# KiCad board ddr5-testbed.kicad_pcb (continued)
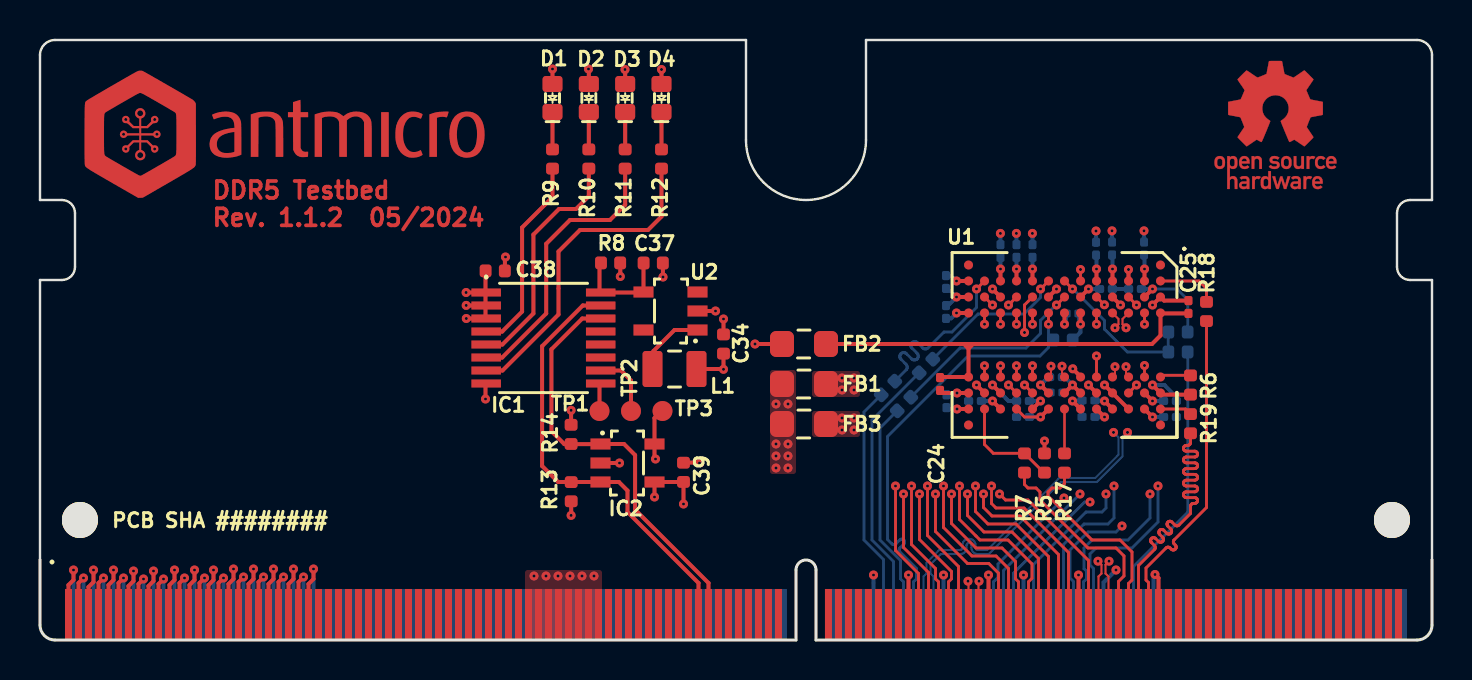
[diagram p0: board, top side]
## Routing (per net, layer and track width the routed paths; a pad name or vN(x,y) marks a point on that pad's centre or on a via; arc(x,y) is an arc through that point) (continued)
  Bottom w0.145: 56.41,15.4 56.41,14.4 54.37,14.4 53.22,15.54 53.22,15.98 51.65,17.55 v1(51.62,17.55)
/DDR5/R_RESET_N: length 5.4
  Top w0.145: 47.22,11.55 47.22,9.78 47.66,9.33 49.22,9.33 50.19,8.36 50.22,8.36
/DDR5/R_TEN: length 2.2
  Top w0.127: U1.G10 51.22,9.33
/DDR5/ZQ: length 1.5
  Top w0.145: 57.53,13.23 56.11,13.23 U1.A8
ALERT_N: length 13.5
  Bottom w0.145: 42.68,1.3 42.68,3.92 41.6,5 41.6,11 43.96,13.36
CA0: length 22
  Top w0.145: J1.181 48.43,3.58 47.8,4.2 46.6,4.2 45.18,5.62 v1(45.18,7.7) ; 49.62,16.35 v1(49.62,15.79)
  In2.Cu w0.102: v1(49.62,15.79) 49.62,14.7 49.18,14.25 46.85,14.25 46.83,14.25 46.81,14.24 46.79,14.23 46.77,14.21 46.76,14.19 46.75,14.17 46.75,14.15 46.75,13.99 46.75,13.97 46.74,13.95 46.73,13.93 46.71,13.91 46.69,13.9 46.67,13.89 46.65,13.89 46.62,13.89 46.6,13.9 46.58,13.91 46.57,13.93 46.56,13.95 46.55,13.97 46.55,13.99 46.55,14.15 46.54,14.17 46.54,14.19 46.52,14.21 46.51,14.23 46.49,14.24 46.47,14.25 46.44,14.25 46.42,14.25 46.4,14.24 46.38,14.23 46.36,14.21 46.35,14.19 46.34,14.17 46.34,14.15 46.34,13.99 46.34,13.97 46.33,13.95 46.32,13.93 46.3,13.91 46.28,13.9 46.26,13.89 46.24,13.89 46.22,13.89 46.2,13.9 46.18,13.91 46.16,13.93 46.15,13.95 46.14,13.97 46.14,13.99 46.14,14.15 46.14,14.17 46.13,14.19 46.12,14.21 46.1,14.23 46.08,14.24 46.06,14.25 46.04,14.25 45.8,14.25 45.18,13.62 v1(45.18,7.7)
CA1: length 22
  Top w0.145: U1.J8 v1(49.62,13.71) ; J1.197 52.43,3.97 49.4,7 48.28,7 v1(47.97,7.3)
  In2.Cu w0.102: v1(47.97,7.3) 49.05,7.3 49.62,7.88 49.62,8.36 49.63,8.38 49.64,8.4 49.65,8.42 49.66,8.44 49.68,8.45 49.7,8.45 49.73,8.46 50.28,8.46 50.3,8.46 50.32,8.47 50.34,8.48 50.36,8.5 50.37,8.51 50.37,8.54 50.38,8.56 50.37,8.58 50.37,8.6 50.36,8.62 50.34,8.64 50.32,8.65 50.3,8.66 50.28,8.66 49.73,8.66 49.7,8.66 49.68,8.67 49.66,8.68 49.65,8.7 49.64,8.72 49.63,8.74 49.62,8.76 49.63,8.78 49.64,8.81 49.65,8.83 49.66,8.84 49.68,8.85 49.7,8.86 49.73,8.86 50.28,8.86 50.3,8.87 50.32,8.87 50.34,8.89 50.36,8.9 50.37,8.92 50.37,8.94 50.38,8.97 50.37,8.99 50.37,9.01 50.36,9.03 50.34,9.04 50.32,9.06 50.3,9.06 50.28,9.07 49.73,9.07 49.7,9.07 49.68,9.08 49.66,9.09 49.65,9.11 49.64,9.12 49.63,9.15 49.62,9.17 49.63,9.19 49.64,9.21 49.65,9.23 49.66,9.25 49.68,9.26 49.7,9.27 49.73,9.27 50.28,9.27 50.3,9.27 50.32,9.28 50.34,9.29 50.36,9.31 50.37,9.33 50.37,9.35 50.38,9.37 50.37,9.39 50.37,9.42 50.36,9.44 50.34,9.45 50.32,9.46 50.3,9.47 50.28,9.47 49.73,9.47 49.7,9.48 49.68,9.48 49.66,9.5 49.65,9.51 49.64,9.53 49.63,9.55 49.62,9.58 49.62,10.22 49.63,10.26 49.64,10.29 49.66,10.32 49.68,10.34 49.71,10.36 49.74,10.37 49.78,10.38 50.22,10.38 50.26,10.38 50.29,10.39 50.32,10.41 50.34,10.43 50.36,10.46 50.37,10.49 50.38,10.53 50.37,10.56 50.36,10.59 50.34,10.62 50.32,10.64 50.29,10.66 50.26,10.67 50.22,10.67 49.78,10.67 49.74,10.68 49.71,10.69 49.68,10.71 49.66,10.73 49.64,10.76 49.63,10.79 49.62,10.83 v1(49.62,13.71)
CA2: length 22
  Top w0.145: v1(44.38,7.7) 44.38,5.22 45.93,3.67 J1.171 ; 48.82,16.35 v1(48.82,15.79)
  In2.Cu w0.102: v1(48.82,15.79) 48.82,14.91 48.57,14.66 44.78,14.66 44.38,14.25 44.38,14.03 44.37,14.01 44.37,13.99 44.36,13.98 44.35,13.97 44.33,13.96 44.32,13.95 44.28,13.95 44.27,13.94 44.25,13.93 44.24,13.92 44.23,13.91 44.23,13.89 44.23,13.88 44.23,13.82 44.23,13.81 44.23,13.79 44.24,13.78 44.25,13.76 44.27,13.75 44.28,13.75 44.3,13.75 44.38,13.75 44.38,13.75 44.45,13.75 44.47,13.74 44.48,13.74 44.5,13.73 44.51,13.72 44.52,13.7 44.52,13.69 44.52,13.67 44.52,13.62 44.52,13.6 44.52,13.59 44.51,13.57 44.5,13.56 44.48,13.55 44.47,13.55 44.45,13.54 44.3,13.54 44.28,13.54 44.27,13.54 44.25,13.53 44.24,13.52 44.23,13.5 44.23,13.49 44.23,13.47 44.23,13.41 44.23,13.4 44.23,13.38 44.24,13.37 44.25,13.36 44.27,13.35 44.28,13.34 44.3,13.34 44.45,13.34 44.47,13.34 44.48,13.33 44.5,13.32 44.51,13.31 44.52,13.3 44.52,13.28 44.52,13.27 44.52,13.21 44.52,13.19 44.52,13.18 44.51,13.17 44.5,13.15 44.48,13.14 44.47,13.14 44.45,13.14 44.3,13.14 44.28,13.14 44.27,13.13 44.25,13.12 44.24,13.11 44.23,13.1 44.23,13.08 44.23,13.06 44.23,13.01 44.23,12.99 44.23,12.98 44.24,12.96 44.25,12.95 44.27,12.94 44.28,12.94 44.3,12.93 44.45,12.93 44.47,12.93 44.48,12.93 44.5,12.92 44.51,12.91 44.52,12.89 44.52,12.88 44.52,12.86 44.52,12.81 44.52,12.79 44.52,12.77 44.51,12.76 44.5,12.75 44.48,12.74 44.47,12.73 44.45,12.73 44.3,12.73 44.28,12.73 44.27,12.72 44.25,12.71 44.24,12.7 44.23,12.69 44.23,12.67 44.23,12.66 44.23,12.6 44.23,12.59 44.23,12.57 44.24,12.56 44.25,12.54 44.27,12.53 44.28,12.53 44.3,12.53 44.45,12.53 44.47,12.53 44.48,12.52 44.5,12.51 44.51,12.5 44.52,12.49 44.52,12.47 44.52,12.45 44.52,12.4 44.52,12.38 44.52,12.37 44.51,12.35 44.5,12.34 44.48,12.33 44.47,12.33 44.45,12.32 44.3,12.32 44.28,12.32 44.27,12.32 44.25,12.31 44.24,12.3 44.23,12.28 44.23,12.27 44.23,12.25 44.23,12.2 44.23,12.18 44.23,12.16 44.24,12.15 44.25,12.14 44.27,12.13 44.28,12.12 44.3,12.12 44.45,12.12 44.47,12.12 44.48,12.11 44.5,12.11 44.51,12.09 44.52,12.08 44.52,12.06 44.52,12.05 44.52,11.99 44.52,11.98 44.52,11.96 44.51,11.95 44.5,11.93 44.48,11.93 44.47,11.92 44.43,11.92 44.42,11.91 44.4,11.9 44.39,11.89 44.38,11.88 44.38,11.86 44.38,11.84 v1(44.38,7.7)
CA3: length 22
  Top w0.145: 48.82,13.15 v1(48.82,13.71) ; J1.191 50.93,4.28 49,6.2 47.6,6.2 47.18,6.62 v1(47.18,7.3)
  In2.Cu w0.102: v1(48.82,13.71) 48.82,13.48 48.82,13.46 48.81,13.44 48.8,13.42 48.79,13.4 48.77,13.39 48.75,13.38 48.72,13.38 48.38,13.38 48.35,13.38 48.33,13.37 48.31,13.36 48.3,13.34 48.29,13.32 48.28,13.3 48.28,13.28 48.28,13.26 48.29,13.23 48.3,13.21 48.31,13.2 48.33,13.19 48.35,13.18 48.38,13.18 48.72,13.18 48.75,13.17 48.77,13.17 48.79,13.15 48.8,13.14 48.81,13.12 48.82,13.1 48.82,13.08 48.82,9.67 48.81,9.66 48.79,9.65 48.76,9.65 48.74,9.65 48.72,9.65 48.7,9.66 48.68,9.67 48.56,9.8 48.54,9.81 48.52,9.82 48.5,9.83 48.47,9.83 48.45,9.82 48.43,9.81 48.41,9.8 48.4,9.78 48.39,9.76 48.38,9.74 48.38,9.72 48.39,9.69 48.4,9.67 48.41,9.66 48.81,9.26 48.82,9.25 48.83,9.23 48.83,9.2 48.83,9.18 48.83,9.16 48.82,9.14 48.81,9.12 48.79,9.11 48.77,9.1 48.74,9.09 48.72,9.09 48.7,9.1 48.68,9.11 48.66,9.12 48.27,9.51 48.25,9.53 48.23,9.54 48.21,9.54 48.19,9.54 48.16,9.54 48.14,9.53 48.13,9.51 48.11,9.49 48.1,9.47 48.1,9.45 48.1,9.43 48.1,9.41 48.11,9.39 48.13,9.37 48.52,8.98 48.53,8.96 48.54,8.94 48.55,8.92 48.55,8.89 48.54,8.87 48.53,8.85 48.52,8.83 48.5,8.82 48.48,8.81 48.46,8.8 48.43,8.8 48.41,8.81 48.39,8.82 48.37,8.83 47.98,9.22 47.97,9.24 47.94,9.25 47.92,9.25 47.9,9.25 47.88,9.25 47.86,9.24 47.84,9.22 47.82,9.21 47.82,9.19 47.81,9.16 47.81,9.14 47.82,9.12 47.82,9.1 47.84,9.08 48.23,8.69 48.24,8.67 48.25,8.65 48.26,8.63 48.26,8.61 48.25,8.58 48.24,8.56 48.23,8.55 48.21,8.53 48.19,8.52 48.17,8.52 48.15,8.52 48.12,8.52 48.1,8.53 48.09,8.55 47.7,8.94 47.68,8.95 47.66,8.96 47.63,8.97 47.61,8.97 47.59,8.96 47.57,8.95 47.55,8.94 47.54,8.92 47.53,8.9 47.52,8.88 47.52,8.85 47.53,8.83 47.54,8.81 47.55,8.79 47.87,8.47 47.89,8.45 47.9,8.43 47.9,8.41 47.9,8.39 47.9,8.37 47.89,8.35 47.87,8.33 47.85,8.31 47.83,8.3 47.81,8.3 47.79,8.3 47.77,8.3 47.75,8.31 47.73,8.33 47.68,8.38 47.66,8.4 47.64,8.41 47.62,8.41 47.59,8.41 47.57,8.41 47.55,8.4 47.53,8.38 47.18,8.03 v1(47.18,7.3)
CA4: length 22
  Top w0.145: v1(49.22,15.38) 49.23,15.38 49.23,16.75 U1.J3 ; v1(44.78,7.3) 44.78,5.42 46.38,3.83 47.44,3.83 47.93,3.34 J1.179
  In2.Cu w0.102: v1(44.78,7.3) 44.78,14.05 45.18,14.45 48.97,14.45 49.22,14.7 v1(49.22,15.38)
CA5: length 22
  Top w0.145: v1(47.58,7.7) 47.58,6.82 47.8,6.6 49.2,6.6 51.43,4.38 J1.193 ; 49.62,12.35 v1(49.22,12.75)
  In2.Cu w0.102: v1(47.57,7.7) 47.8,7.7 47.82,7.7 47.84,7.71 47.86,7.72 47.88,7.74 47.89,7.76 47.9,7.78 47.9,7.8 47.9,8 47.9,8.02 47.91,8.04 47.92,8.06 47.94,8.08 47.96,8.09 47.98,8.1 48,8.1 48.03,8.1 48.05,8.09 48.07,8.08 48.08,8.06 48.09,8.04 48.1,8.02 48.1,8 48.1,7.8 48.11,7.78 48.11,7.76 48.13,7.74 48.14,7.72 48.16,7.71 48.18,7.7 48.21,7.7 48.23,7.7 48.25,7.71 48.27,7.72 48.29,7.74 48.3,7.76 48.31,7.78 48.31,7.8 48.31,8 48.31,8.02 48.32,8.04 48.33,8.06 48.35,8.08 48.37,8.09 48.39,8.1 48.41,8.1 48.43,8.1 48.45,8.09 48.47,8.08 48.49,8.06 48.5,8.04 48.51,8.02 48.51,8 48.51,7.8 48.51,7.78 48.52,7.76 48.53,7.74 48.55,7.72 48.57,7.71 48.59,7.7 48.61,7.7 48.9,7.7 49.22,8.03 49.23,8.04 49.23,8.06 49.24,8.07 49.25,8.08 49.27,8.09 49.28,8.1 49.32,8.1 49.33,8.11 49.35,8.12 49.36,8.13 49.37,8.14 49.37,8.16 49.38,8.17 49.38,8.23 49.37,8.24 49.37,8.26 49.36,8.27 49.35,8.29 49.33,8.3 49.32,8.3 49.3,8.3 49.15,8.3 49.13,8.31 49.12,8.31 49.1,8.32 49.09,8.33 49.08,8.35 49.08,8.36 49.07,8.38 49.07,8.43 49.08,8.45 49.08,8.46 49.09,8.48 49.1,8.49 49.12,8.5 49.13,8.5 49.15,8.51 49.3,8.51 49.32,8.51 49.33,8.51 49.35,8.52 49.36,8.53 49.37,8.55 49.37,8.56 49.38,8.58 49.38,8.63 49.37,8.65 49.37,8.67 49.36,8.68 49.35,8.69 49.33,8.7 49.32,8.71 49.3,8.71 49.15,8.71 49.13,8.71 49.12,8.72 49.1,8.73 49.09,8.74 49.08,8.75 49.08,8.77 49.07,8.78 49.07,8.84 49.08,8.85 49.08,8.87 49.09,8.88 49.1,8.9 49.12,8.91 49.13,8.91 49.15,8.91 49.3,8.91 49.32,8.91 49.33,8.92 49.35,8.93 49.36,8.94 49.37,8.96 49.37,8.97 49.38,8.99 49.38,9.04 49.37,9.06 49.37,9.07 49.36,9.09 49.35,9.1 49.33,9.11 49.32,9.11 49.3,9.12 49.15,9.12 49.13,9.12 49.12,9.12 49.1,9.13 49.09,9.14 49.08,9.16 49.08,9.17 49.07,9.19 49.07,9.24 49.08,9.26 49.08,9.28 49.09,9.29 49.1,9.3 49.12,9.31 49.13,9.32 49.15,9.32 49.3,9.32 49.32,9.32 49.33,9.33 49.35,9.34 49.36,9.35 49.37,9.36 49.37,9.38 49.38,9.39 49.38,9.45 49.37,9.46 49.37,9.48 49.36,9.49 49.35,9.51 49.33,9.51 49.32,9.52 49.3,9.52 49.15,9.52 49.13,9.52 49.12,9.53 49.1,9.54 49.09,9.55 49.08,9.56 49.08,9.58 49.07,9.6 49.07,9.65 49.08,9.67 49.08,9.68 49.09,9.7 49.1,9.71 49.12,9.72 49.13,9.72 49.15,9.73 49.3,9.73 49.32,9.73 49.33,9.73 49.35,9.74 49.36,9.75 49.37,9.77 49.37,9.78 49.38,9.8 49.38,9.85 49.37,9.87 49.37,9.89 49.36,9.9 49.35,9.91 49.33,9.92 49.32,9.93 49.3,9.93 49.15,9.93 49.13,9.93 49.12,9.94 49.1,9.95 49.09,9.96 49.08,9.97 49.08,9.99 49.07,10 49.07,10.06 49.08,10.07 49.08,10.09 49.09,10.1 49.1,10.12 49.12,10.12 49.13,10.13 49.15,10.13 49.3,10.13 49.32,10.13 49.33,10.14 49.35,10.15 49.36,10.16 49.37,10.17 49.37,10.19 49.38,10.21 49.38,10.26 49.37,10.28 49.37,10.29 49.36,10.31 49.35,10.32 49.33,10.33 49.32,10.33 49.3,10.34 49.15,10.34 49.13,10.34 49.12,10.34 49.1,10.35 49.09,10.36 49.08,10.38 49.08,10.39 49.07,10.41 49.07,10.46 49.08,10.48 49.08,10.5 49.09,10.51 49.1,10.52 49.12,10.53 49.13,10.54 49.15,10.54 49.3,10.54 49.32,10.54 49.33,10.55 49.35,10.55 49.36,10.57 49.37,10.58 49.37,10.6 49.38,10.61 49.38,10.67 49.37,10.68 49.37,10.7 49.36,10.71 49.35,10.73 49.33,10.73 49.32,10.74 49.3,10.74 49.15,10.74 49.13,10.74 49.12,10.75 49.1,10.76 49.09,10.77 49.08,10.78 49.08,10.8 49.07,10.82 49.07,10.87 49.08,10.89 49.08,10.9 49.09,10.92 49.1,10.93 49.12,10.94 49.13,10.94 49.15,10.94 49.3,10.94 49.32,10.95 49.33,10.95 49.35,10.96 49.36,10.97 49.37,10.99 49.37,11 49.38,11.02 49.38,11.07 49.37,11.09 49.37,11.11 49.36,11.12 49.35,11.13 49.33,11.14 49.32,11.15 49.3,11.15 49.15,11.15 49.13,11.15 49.12,11.16 49.1,11.16 49.09,11.18 49.08,11.19 49.08,11.21 49.07,11.22 49.07,11.28 49.08,11.29 49.08,11.31 49.09,11.32 49.1,11.33 49.12,11.34 49.13,11.35 49.15,11.35 49.3,11.35 49.32,11.35 49.33,11.36 49.35,11.37 49.36,11.38 49.37,11.39 49.37,11.41 49.38,11.43 49.38,11.48 49.37,11.5 49.37,11.51 49.36,11.53 49.35,11.54 49.33,11.55 49.32,11.55 49.3,11.55 49.15,11.55 49.13,11.56 49.12,11.56 49.1,11.57 49.09,11.58 49.08,11.6 49.08,11.61 49.07,11.63 49.07,11.68 49.08,11.7 49.08,11.72 49.09,11.73 49.1,11.74 49.12,11.75 49.13,11.76 49.15,11.76 49.3,11.76 49.32,11.76 49.33,11.77 49.35,11.77 49.36,11.79 49.37,11.8 49.37,11.82 49.38,11.83 49.38,11.89 49.37,11.9 49.37,11.92 49.36,11.93 49.35,11.94 49.33,11.95 49.32,11.96 49.3,11.96 49.15,11.96 49.13,11.96 49.12,11.97 49.1,11.98 49.09,11.99 49.08,12 49.08,12.02 49.07,12.04 49.07,12.09 49.08,12.11 49.08,12.12 49.09,12.14 49.1,12.15 49.12,12.16 49.13,12.16 49.15,12.16 49.3,12.16 49.32,12.17 49.33,12.17 49.35,12.18 49.36,12.19 49.37,12.21 49.37,12.22 49.38,12.24 49.38,12.29 49.37,12.31 49.37,12.32 49.36,12.34 49.35,12.35 49.33,12.36 49.32,12.37 49.28,12.37 49.27,12.37 49.25,12.38 49.24,12.4 49.23,12.41 49.23,12.43 49.22,12.44 v1(49.22,12.75)
CA6: length 22
  Top w0.145: 48.82,17.15 v1(48.43,16.75) ; v1(43.97,7.3) 43.97,5.03 45.57,3.43 45.57,3.06 45.43,2.91 J1.169
  In2.Cu w0.102: v1(43.97,7.3) 43.97,8.17 43.98,8.19 43.98,8.21 43.99,8.22 44,8.23 44.01,8.24 44.03,8.24 44.06,8.25 44.07,8.25 44.09,8.26 44.1,8.27 44.11,8.28 44.11,8.3 44.11,8.31 44.11,8.38 44.11,8.39 44.11,8.41 44.1,8.42 44.09,8.43 44.07,8.44 44.06,8.45 44.04,8.45 43.97,8.45 43.97,8.45 43.91,8.45 43.89,8.45 43.88,8.46 43.86,8.47 43.85,8.48 43.84,8.49 43.84,8.51 43.84,8.52 43.84,8.59 43.84,8.6 43.84,8.62 43.85,8.63 43.86,8.64 43.88,8.65 43.89,8.65 43.91,8.66 44.04,8.66 44.06,8.66 44.07,8.66 44.09,8.67 44.1,8.68 44.11,8.7 44.11,8.71 44.11,8.73 44.11,8.79 44.11,8.81 44.11,8.82 44.1,8.83 44.09,8.84 44.07,8.85 44.06,8.86 44.04,8.86 43.91,8.86 43.89,8.86 43.88,8.87 43.86,8.87 43.85,8.89 43.84,8.9 43.84,8.91 43.84,8.93 43.84,8.99 43.84,9.01 43.84,9.02 43.85,9.04 43.86,9.05 43.88,9.06 43.89,9.06 43.91,9.06 44.04,9.06 44.06,9.06 44.07,9.07 44.09,9.08 44.1,9.09 44.11,9.1 44.11,9.12 44.11,9.13 44.11,9.2 44.11,9.21 44.11,9.23 44.1,9.24 44.09,9.25 44.07,9.26 44.06,9.26 44.04,9.27 43.91,9.27 43.89,9.27 43.88,9.27 43.86,9.28 43.85,9.29 43.84,9.31 43.84,9.32 43.84,9.34 43.84,9.4 43.84,9.42 43.84,9.43 43.85,9.44 43.86,9.45 43.88,9.46 43.89,9.47 43.92,9.47 43.94,9.48 43.95,9.48 43.96,9.5 43.97,9.51 43.97,9.52 43.97,9.54 43.97,14.45 44.38,14.86 48.18,14.86 48.43,15.11 v1(48.43,16.75)
CA7: length 22
  Top w0.145: 48.82,12.35 v1(48.43,12.75) ; v1(46.78,7.7) 46.78,6.42 47.4,5.8 48.8,5.8 50.43,4.17 J1.189
  In2.Cu w0.102: v1(48.43,12.75) 48.43,12.6 48.43,12.58 48.43,12.56 48.44,12.55 48.45,12.54 48.47,12.53 48.48,12.52 48.52,12.52 48.53,12.51 48.55,12.51 48.56,12.49 48.57,12.48 48.57,12.46 48.57,12.45 48.57,12.39 48.57,12.38 48.57,12.36 48.56,12.35 48.55,12.34 48.53,12.33 48.52,12.32 48.5,12.32 48.35,12.32 48.33,12.32 48.32,12.31 48.3,12.3 48.29,12.29 48.28,12.28 48.28,12.26 48.28,12.24 48.28,12.19 48.28,12.17 48.28,12.16 48.29,12.14 48.3,12.13 48.32,12.12 48.33,12.12 48.35,12.12 48.5,12.12 48.52,12.11 48.53,12.11 48.55,12.1 48.56,12.09 48.57,12.07 48.57,12.06 48.57,12.04 48.57,11.99 48.57,11.97 48.57,11.96 48.56,11.94 48.55,11.93 48.53,11.92 48.52,11.91 48.5,11.91 48.35,11.91 48.33,11.91 48.32,11.91 48.3,11.9 48.29,11.88 48.28,11.87 48.28,11.85 48.28,11.84 48.28,11.78 48.28,11.77 48.28,11.75 48.29,11.74 48.3,11.73 48.32,11.72 48.33,11.71 48.35,11.71 48.5,11.71 48.52,11.71 48.53,11.7 48.55,11.69 48.56,11.68 48.57,11.67 48.57,11.65 48.57,11.63 48.57,11.58 48.57,11.56 48.57,11.55 48.56,11.53 48.55,11.52 48.53,11.51 48.52,11.51 48.5,11.51 48.35,11.51 48.33,11.5 48.32,11.5 48.3,11.49 48.29,11.48 48.28,11.46 48.28,11.45 48.28,11.43 48.28,11.38 48.28,11.36 48.28,11.35 48.29,11.33 48.3,11.32 48.32,11.31 48.33,11.31 48.35,11.3 48.5,11.3 48.52,11.3 48.53,11.3 48.55,11.29 48.56,11.27 48.57,11.26 48.57,11.24 48.57,11.23 48.57,11.17 48.57,11.16 48.57,11.14 48.56,11.13 48.55,11.12 48.53,11.11 48.52,11.1 48.48,11.1 48.47,11.09 48.45,11.08 48.44,11.07 48.43,11.06 48.43,11.04 48.43,11.03 48.41,11.01 48.4,10.99 48.4,10.96 48.4,10.94 48.4,10.92 48.41,10.9 48.43,10.88 48.56,10.74 48.58,10.72 48.59,10.7 48.59,10.68 48.59,10.66 48.59,10.64 48.58,10.62 48.56,10.6 48.55,10.58 48.53,10.57 48.5,10.57 48.48,10.57 48.46,10.57 48.44,10.58 48.42,10.6 48.28,10.74 48.26,10.75 48.24,10.76 48.22,10.77 48.2,10.77 48.18,10.76 48.16,10.75 48.14,10.74 48.12,10.72 48.11,10.7 48.11,10.68 48.11,10.65 48.11,10.63 48.12,10.61 48.14,10.59 48.42,10.31 48.43,10.3 48.44,10.28 48.45,10.25 48.45,10.23 48.44,10.21 48.43,10.19 48.42,10.17 48.4,10.16 48.38,10.15 48.36,10.14 48.33,10.14 48.31,10.15 48.29,10.16 48.27,10.17 47.99,10.45 47.98,10.46 47.96,10.47 47.93,10.48 47.91,10.48 47.89,10.47 47.87,10.46 47.85,10.45 47.84,10.43 47.83,10.41 47.82,10.39 47.82,10.37 47.83,10.34 47.84,10.32 47.85,10.31 48.13,10.03 48.15,10.01 48.15,9.99 48.16,9.97 48.16,9.94 48.15,9.92 48.15,9.9 48.13,9.88 48.11,9.87 48.09,9.86 48.07,9.85 48.05,9.85 48.03,9.86 48,9.87 47.99,9.88 47.71,10.16 47.69,10.18 47.67,10.19 47.65,10.19 47.62,10.19 47.6,10.19 47.58,10.18 47.56,10.16 47.55,10.15 47.54,10.12 47.53,10.1 47.53,10.08 47.54,10.06 47.55,10.04 47.56,10.02 47.84,9.74 47.86,9.72 47.87,9.7 47.87,9.68 47.87,9.66 47.87,9.63 47.86,9.61 47.84,9.59 47.83,9.58 47.81,9.57 47.78,9.57 47.76,9.57 47.74,9.57 47.72,9.58 47.7,9.59 47.42,9.88 47.4,9.89 47.38,9.9 47.36,9.9 47.34,9.9 47.31,9.9 47.29,9.89 47.28,9.88 47.26,9.86 47.25,9.84 47.25,9.82 47.25,9.79 47.25,9.77 47.26,9.75 47.28,9.73 47.56,9.45 47.57,9.43 47.58,9.41 47.59,9.39 47.59,9.37 47.58,9.35 47.57,9.33 47.56,9.31 47.54,9.29 47.52,9.28 47.5,9.28 47.47,9.28 47.45,9.28 47.43,9.29 47.41,9.31 47.13,9.59 47.11,9.6 47.09,9.61 47.07,9.62 47.05,9.62 47.03,9.61 47.01,9.6 46.99,9.59 46.78,9.38 46.78,8.78 46.78,8.76 46.79,8.74 46.8,8.72 46.81,8.7 46.83,8.69 46.85,8.68 46.88,8.68 47.1,8.68 47.12,8.68 47.14,8.67 47.16,8.66 47.18,8.64 47.19,8.62 47.2,8.6 47.2,8.58 47.2,8.56 47.19,8.53 47.18,8.51 47.16,8.5 47.14,8.49 47.12,8.48 47.1,8.48 46.88,8.48 46.85,8.47 46.83,8.47 46.81,8.45 46.8,8.44 46.79,8.42 46.78,8.4 46.78,8.38 v1(46.78,7.7)
CA8: length 22.1
  Top w0.145: v1(43.57,7.7) 43.57,4.78 44.78,3.57 44.78,3.06 44.93,2.91 J1.167 ; 48.03,16.35 v1(48.03,15.79)
  In2.Cu w0.102: v1(48.03,15.79) 48.03,15.31 47.78,15.06 43.99,15.06 43.57,14.65 43.57,14.47 43.57,14.46 43.57,14.44 43.56,14.43 43.55,14.42 43.53,14.41 43.52,14.41 43.49,14.4 43.47,14.4 43.46,14.39 43.45,14.38 43.44,14.36 43.43,14.35 43.43,14.33 43.43,14.27 43.43,14.26 43.44,14.24 43.45,14.23 43.46,14.22 43.47,14.21 43.49,14.2 43.5,14.2 43.57,14.2 43.57,14.2 43.65,14.2 43.66,14.2 43.68,14.19 43.69,14.18 43.7,14.17 43.71,14.16 43.72,14.14 43.72,14.13 43.72,14.06 43.72,14.05 43.71,14.03 43.7,14.02 43.69,14.01 43.68,14 43.66,14 43.65,13.99 43.5,13.99 43.49,13.99 43.47,13.99 43.46,13.98 43.45,13.97 43.44,13.95 43.43,13.94 43.43,13.92 43.43,13.86 43.43,13.85 43.44,13.83 43.45,13.82 43.46,13.81 43.47,13.8 43.49,13.79 43.5,13.79 43.65,13.79 43.66,13.79 43.68,13.78 43.69,13.77 43.7,13.76 43.71,13.75 43.72,13.74 43.72,13.72 43.72,13.66 43.72,13.64 43.71,13.63 43.7,13.61 43.69,13.6 43.68,13.59 43.66,13.59 43.65,13.59 43.5,13.59 43.49,13.59 43.47,13.58 43.46,13.57 43.45,13.56 43.44,13.55 43.43,13.53 43.43,13.52 43.43,13.45 43.43,13.44 43.44,13.42 43.45,13.41 43.46,13.4 43.47,13.39 43.49,13.39 43.5,13.38 43.65,13.38 43.66,13.38 43.68,13.38 43.69,13.37 43.7,13.36 43.71,13.34 43.72,13.33 43.72,13.31 43.72,13.25 43.72,13.24 43.71,13.22 43.7,13.21 43.69,13.2 43.68,13.19 43.66,13.18 43.65,13.18 43.5,13.18 43.49,13.18 43.47,13.17 43.46,13.17 43.45,13.15 43.44,13.14 43.43,13.13 43.43,13.11 43.43,13.05 43.43,13.03 43.44,13.02 43.45,13 43.46,12.99 43.47,12.98 43.49,12.98 43.5,12.98 43.65,12.98 43.66,12.98 43.68,12.97 43.69,12.96 43.7,12.95 43.71,12.94 43.72,12.92 43.72,12.91 43.72,12.85 43.72,12.83 43.71,12.81 43.7,12.8 43.69,12.79 43.68,12.78 43.66,12.78 43.65,12.77 43.5,12.77 43.49,12.77 43.47,12.77 43.46,12.76 43.45,12.75 43.44,12.73 43.43,12.72 43.43,12.7 43.43,12.64 43.43,12.63 43.44,12.61 43.45,12.6 43.46,12.59 43.47,12.58 43.49,12.57 43.5,12.57 43.65,12.57 43.66,12.57 43.68,12.56 43.69,12.56 43.7,12.54 43.71,12.53 43.72,12.52 43.72,12.5 43.72,12.44 43.72,12.42 43.71,12.41 43.7,12.39 43.69,12.38 43.68,12.38 43.66,12.37 43.65,12.37 43.5,12.37 43.49,12.37 43.47,12.36 43.46,12.35 43.45,12.34 43.44,12.33 43.43,12.31 43.43,12.3 43.43,12.24 43.43,12.22 43.44,12.2 43.45,12.19 43.46,12.18 43.47,12.17 43.49,12.17 43.52,12.16 43.53,12.16 43.55,12.15 43.56,12.14 43.57,12.12 43.57,12.11 43.57,12.09 v1(43.57,7.7)
CA9: length 22
  Top w0.145: U1.L8 v1(48.03,13.71) ; v1(46.38,7.3) 46.38,6.22 47.2,5.4 48.6,5.4 49.93,4.08 J1.187
  In2.Cu w0.102: v1(46.38,7.3) 46.38,7.88 46.38,7.89 46.38,7.91 46.39,7.92 46.4,7.93 46.42,7.94 46.43,7.95 46.47,7.95 46.48,7.96 46.5,7.97 46.51,7.98 46.52,7.99 46.52,8.01 46.53,8.03 46.53,8.08 46.52,8.09 46.52,8.11 46.51,8.12 46.5,8.14 46.48,8.15 46.47,8.15 46.45,8.15 46.3,8.15 46.28,8.16 46.27,8.16 46.25,8.17 46.24,8.18 46.23,8.2 46.23,8.21 46.22,8.23 46.22,8.28 46.23,8.3 46.23,8.31 46.24,8.33 46.25,8.34 46.27,8.35 46.28,8.35 46.3,8.36 46.45,8.36 46.47,8.36 46.48,8.36 46.5,8.37 46.51,8.38 46.52,8.4 46.52,8.41 46.53,8.43 46.53,8.48 46.52,8.5 46.52,8.52 46.51,8.53 46.5,8.54 46.48,8.55 46.47,8.56 46.45,8.56 46.3,8.56 46.28,8.56 46.27,8.57 46.25,8.58 46.24,8.59 46.23,8.6 46.23,8.62 46.22,8.63 46.22,8.69 46.23,8.7 46.23,8.72 46.24,8.73 46.25,8.75 46.27,8.76 46.28,8.76 46.3,8.76 46.45,8.76 46.47,8.76 46.48,8.77 46.5,8.78 46.51,8.79 46.52,8.81 46.52,8.82 46.53,8.84 46.53,8.89 46.52,8.91 46.52,8.92 46.51,8.94 46.5,8.95 46.48,8.96 46.47,8.96 46.45,8.97 46.3,8.97 46.28,8.97 46.27,8.97 46.25,8.98 46.24,8.99 46.23,9.01 46.23,9.02 46.22,9.04 46.22,9.09 46.23,9.11 46.23,9.13 46.24,9.14 46.25,9.15 46.27,9.16 46.28,9.17 46.3,9.17 46.45,9.17 46.47,9.17 46.48,9.18 46.5,9.19 46.51,9.2 46.52,9.21 46.52,9.23 46.53,9.24 46.53,9.3 46.52,9.31 46.52,9.33 46.51,9.34 46.5,9.36 46.48,9.36 46.47,9.37 46.45,9.37 46.3,9.37 46.28,9.37 46.27,9.38 46.25,9.39 46.24,9.4 46.23,9.41 46.23,9.43 46.22,9.45 46.22,9.5 46.23,9.52 46.23,9.53 46.24,9.55 46.25,9.56 46.27,9.57 46.28,9.57 46.3,9.58 46.45,9.58 46.47,9.58 46.48,9.58 46.5,9.59 46.51,9.6 46.52,9.62 46.52,9.63 46.53,9.65 46.53,9.7 46.52,9.72 46.52,9.74 46.51,9.75 46.5,9.76 46.48,9.77 46.47,9.78 46.45,9.78 46.3,9.78 46.28,9.78 46.27,9.79 46.25,9.8 46.24,9.81 46.23,9.82 46.23,9.84 46.22,9.85 46.22,9.91 46.23,9.92 46.23,9.94 46.24,9.95 46.25,9.97 46.27,9.97 46.28,9.98 46.3,9.98 46.45,9.98 46.47,9.98 46.48,9.99 46.5,10 46.51,10.01 46.52,10.02 46.52,10.04 46.53,10.06 46.53,10.11 46.52,10.13 46.52,10.14 46.51,10.16 46.5,10.17 46.48,10.18 46.47,10.18 46.45,10.19 46.3,10.19 46.28,10.19 46.27,10.19 46.25,10.2 46.24,10.21 46.23,10.23 46.23,10.24 46.22,10.26 46.22,10.31 46.23,10.33 46.23,10.35 46.24,10.36 46.25,10.37 46.27,10.38 46.28,10.39 46.32,10.39 46.33,10.4 46.35,10.4 46.36,10.42 46.37,10.43 46.37,10.45 46.38,10.46 46.38,10.67 46.6,10.9 46.8,10.9 46.82,10.9 46.84,10.89 46.86,10.88 46.88,10.86 46.89,10.84 46.9,10.82 46.9,10.8 46.9,10.51 46.9,10.48 46.91,10.46 46.92,10.44 46.94,10.43 46.96,10.42 46.98,10.41 47,10.41 47.03,10.41 47.05,10.42 47.07,10.43 47.08,10.44 47.09,10.46 47.1,10.48 47.1,10.51 47.1,10.8 47.11,10.82 47.11,10.84 47.13,10.86 47.14,10.88 47.16,10.89 47.18,10.9 47.21,10.9 47.23,10.9 47.25,10.89 47.27,10.88 47.29,10.86 47.3,10.84 47.31,10.82 47.31,10.8 47.31,10.51 47.31,10.48 47.32,10.46 47.33,10.44 47.35,10.43 47.37,10.42 47.39,10.41 47.41,10.41 47.43,10.41 47.45,10.42 47.47,10.43 47.49,10.44 47.5,10.46 47.51,10.48 47.51,10.51 47.51,10.8 47.51,10.82 47.52,10.84 47.53,10.86 47.55,10.88 47.57,10.89 47.59,10.9 47.61,10.9 47.9,10.9 48.03,11.03 48.03,11.22 48.02,11.25 48.01,11.27 48,11.29 47.99,11.3 47.97,11.32 47.95,11.32 47.92,11.33 47.58,11.33 47.55,11.33 47.53,11.34 47.51,11.35 47.5,11.36 47.49,11.38 47.48,11.41 47.47,11.43 47.48,11.45 47.49,11.47 47.5,11.49 47.51,11.51 47.53,11.52 47.55,11.53 47.58,11.53 47.92,11.53 47.95,11.53 47.97,11.54 47.99,11.55 48,11.57 48.01,11.59 48.02,11.61 48.03,11.63 v1(48.03,13.71)
CA10: length 22.1
  Top w0.145: 47.22,17.15 v1(47.62,16.75) ; J1.165 44.43,3.38 43.18,4.62 v1(43.18,7.3)
  In2.Cu w0.102: v1(47.62,16.75) 47.62,15.52 47.38,15.27 43.59,15.27 43.18,14.85 43.18,9.69 43.18,9.68 43.18,9.66 43.19,9.65 43.2,9.64 43.21,9.63 43.23,9.62 43.26,9.62 43.27,9.62 43.29,9.61 43.3,9.6 43.31,9.58 43.31,9.57 43.31,9.55 43.31,9.49 43.31,9.47 43.31,9.46 43.3,9.45 43.29,9.43 43.27,9.43 43.26,9.42 43.24,9.42 43.11,9.42 43.09,9.42 43.08,9.41 43.06,9.4 43.05,9.39 43.04,9.38 43.04,9.37 43.04,9.35 43.04,9.29 43.04,9.27 43.04,9.26 43.05,9.24 43.06,9.23 43.08,9.22 43.09,9.22 43.11,9.22 43.24,9.22 43.26,9.21 43.27,9.21 43.29,9.2 43.3,9.19 43.31,9.18 43.31,9.16 43.31,9.15 43.31,9.08 43.31,9.07 43.31,9.05 43.3,9.04 43.29,9.03 43.27,9.02 43.26,9.01 43.24,9.01 43.11,9.01 43.09,9.01 43.08,9.01 43.06,9 43.05,8.99 43.04,8.97 43.04,8.96 43.04,8.94 43.04,8.88 43.04,8.86 43.04,8.85 43.05,8.84 43.06,8.82 43.08,8.82 43.09,8.81 43.11,8.81 43.24,8.81 43.26,8.81 43.27,8.8 43.29,8.79 43.3,8.78 43.31,8.77 43.31,8.76 43.31,8.74 43.31,8.68 43.31,8.66 43.31,8.65 43.3,8.63 43.29,8.62 43.27,8.61 43.26,8.61 43.24,8.61 43.11,8.61 43.09,8.6 43.08,8.6 43.06,8.59 43.05,8.58 43.04,8.57 43.04,8.55 43.04,8.54 43.04,8.47 43.04,8.46 43.04,8.44 43.05,8.43 43.06,8.42 43.08,8.41 43.09,8.4 43.11,8.4 43.18,8.4 43.18,8.4 43.24,8.4 43.26,8.4 43.27,8.39 43.29,8.38 43.3,8.37 43.31,8.36 43.31,8.34 43.31,8.33 43.31,8.26 43.31,8.25 43.31,8.23 43.3,8.22 43.29,8.21 43.27,8.2 43.26,8.2 43.23,8.19 43.21,8.19 43.2,8.18 43.19,8.17 43.18,8.16 43.18,8.14 43.18,8.12 v1(43.18,7.3)
CA11: length 22
  Top w0.145: v1(45.57,7.3) 45.57,5.83 46.8,4.6 48.1,4.6 48.78,3.92 48.78,3.06 48.93,2.91 J1.183
  Top w0.2: 47.22,12.35 v1(46.82,12.75)
  In2.Cu w0.102: v1(45.57,7.3) 45.57,7.87 45.58,7.88 45.58,7.9 45.59,7.91 45.6,7.92 45.62,7.93 45.63,7.94 45.67,7.94 45.68,7.95 45.7,7.96 45.71,7.97 45.72,7.98 45.72,8 45.72,8.02 45.72,8.07 45.72,8.09 45.72,8.1 45.71,8.12 45.7,8.13 45.68,8.14 45.67,8.14 45.65,8.14 45.5,8.14 45.48,8.15 45.47,8.15 45.45,8.16 45.44,8.17 45.43,8.19 45.43,8.2 45.43,8.22 45.43,8.27 45.43,8.29 45.43,8.3 45.44,8.32 45.45,8.33 45.47,8.34 45.48,8.34 45.5,8.35 45.65,8.35 45.67,8.35 45.68,8.35 45.7,8.36 45.71,8.37 45.72,8.39 45.72,8.4 45.72,8.42 45.72,8.47 45.72,8.49 45.72,8.51 45.71,8.52 45.7,8.53 45.68,8.54 45.67,8.55 45.65,8.55 45.5,8.55 45.48,8.55 45.47,8.56 45.45,8.57 45.44,8.58 45.43,8.59 45.43,8.61 45.43,8.62 45.43,8.68 45.43,8.69 45.43,8.71 45.44,8.72 45.45,8.74 45.47,8.75 45.48,8.75 45.5,8.75 45.65,8.75 45.67,8.75 45.68,8.76 45.7,8.77 45.71,8.78 45.72,8.8 45.72,8.81 45.72,8.83 45.72,8.88 45.72,8.9 45.72,8.91 45.71,8.93 45.7,8.94 45.68,8.95 45.67,8.95 45.65,8.96 45.5,8.96 45.48,8.96 45.47,8.96 45.45,8.97 45.44,8.98 45.43,9 45.43,9.01 45.43,9.03 45.43,9.08 45.43,9.1 45.43,9.12 45.44,9.13 45.45,9.14 45.47,9.15 45.48,9.16 45.5,9.16 45.65,9.16 45.67,9.16 45.68,9.17 45.7,9.18 45.71,9.19 45.72,9.2 45.72,9.22 45.72,9.23 45.72,9.29 45.72,9.3 45.72,9.32 45.71,9.33 45.7,9.35 45.68,9.36 45.67,9.36 45.65,9.36 45.5,9.36 45.48,9.36 45.47,9.37 45.45,9.38 45.44,9.39 45.43,9.41 45.43,9.42 45.43,9.44 45.43,9.49 45.43,9.51 45.43,9.52 45.44,9.54 45.45,9.55 45.47,9.56 45.48,9.56 45.5,9.57 45.65,9.57 45.67,9.57 45.68,9.57 45.7,9.58 45.71,9.59 45.72,9.61 45.72,9.62 45.72,9.64 45.72,9.69 45.72,9.71 45.72,9.73 45.71,9.74 45.7,9.75 45.68,9.76 45.67,9.77 45.65,9.77 45.5,9.77 45.48,9.77 45.47,9.78 45.45,9.79 45.44,9.8 45.43,9.81 45.43,9.83 45.43,9.84 45.43,9.9 45.43,9.91 45.43,9.93 45.44,9.94 45.45,9.96 45.47,9.96 45.48,9.97 45.5,9.97 45.65,9.97 45.67,9.97 45.68,9.98 45.7,9.99 45.71,10 45.72,10.01 45.72,10.03 45.72,10.05 45.72,10.1 45.72,10.12 45.72,10.13 45.71,10.15 45.7,10.16 45.68,10.17 45.67,10.17 45.65,10.18 45.5,10.18 45.48,10.18 45.47,10.18 45.45,10.19 45.44,10.2 45.43,10.22 45.43,10.23 45.43,10.25 45.43,10.3 45.43,10.32 45.43,10.34 45.44,10.35 45.45,10.36 45.47,10.37 45.48,10.38 45.5,10.38 45.65,10.38 45.67,10.38 45.68,10.39 45.7,10.4 45.71,10.41 45.72,10.42 45.72,10.44 45.72,10.45 45.72,10.51 45.72,10.52 45.72,10.54 45.71,10.55 45.7,10.57 45.68,10.57 45.67,10.58 45.65,10.58 45.5,10.58 45.48,10.58 45.47,10.59 45.45,10.6 45.44,10.61 45.43,10.62 45.43,10.64 45.43,10.66 45.43,10.71 45.43,10.73 45.43,10.74 45.44,10.76 45.45,10.77 45.47,10.78 45.48,10.78 45.5,10.79 45.65,10.79 45.67,10.79 45.68,10.79 45.7,10.8 45.71,10.81 45.72,10.83 45.72,10.84 45.72,10.86 45.72,10.91 45.72,10.93 45.72,10.95 45.71,10.96 45.7,10.97 45.68,10.98 45.67,10.99 45.65,10.99 45.5,10.99 45.48,10.99 45.47,11 45.45,11 45.44,11.02 45.43,11.03 45.43,11.05 45.43,11.06 45.43,11.12 45.43,11.13 45.43,11.15 45.44,11.16 45.45,11.18 45.47,11.18 45.48,11.19 45.52,11.19 45.53,11.2 45.55,11.21 45.56,11.22 45.57,11.23 45.57,11.25 45.57,11.27 45.47,11.37 45.47,12.57 45.65,12.75 45.67,12.75 45.69,12.76 45.71,12.77 45.73,12.79 45.74,12.81 45.75,12.83 45.75,12.85 45.75,13.45 45.75,13.47 45.76,13.5 45.77,13.51 45.79,13.53 45.81,13.54 45.83,13.55 45.85,13.55 45.88,13.55 45.9,13.54 45.92,13.53 45.93,13.51 45.94,13.5 45.95,13.47 45.95,13.45 45.95,12.85 45.96,12.83 45.96,12.81 45.98,12.79 45.99,12.77 46.01,12.76 46.03,12.75 46.06,12.75 46.08,12.75 46.1,12.76 46.12,12.77 46.14,12.79 46.15,12.81 46.16,12.83 46.16,12.85 46.16,13.45 46.16,13.47 46.17,13.5 46.18,13.51 46.2,13.53 46.22,13.54 46.24,13.55 46.26,13.55 46.28,13.55 46.3,13.54 46.32,13.53 46.34,13.51 46.35,13.5 46.36,13.47 46.36,13.45 46.36,12.85 46.36,12.83 46.37,12.81 46.38,12.79 46.4,12.77 46.42,12.76 46.44,12.75 46.46,12.75 v1(46.82,12.75)
